# Allegro board 038RT-9068CJK8E-A100_0921.brd (continued)
## Routing (per net, layer and track width the routed paths; a pad name or vN(x,y) marks a point on that pad's centre or on a via; arc(x,y) is an arc through that point) (continued)
  TOP w0.115: C184.1 61.09,187.39
SG0_1_P1_MDI-: length 2.6
  TOP w0.105: 61.09,186.92 62.39,186.92 T3.2
  TOP w0.115: C183.1 61.09,186.92
SG0_1_P1_TXD0: length 141.8
  L15_SIGNAL w0.105: K225.4 149.76,229.85 163.47,229.85 167.41,233.79 272.28,233.79 278.85,227.23 v1(278.85,224.9)
  BOTTOM w0.115: v1(278.85,224.9) RR520.2
SG0_1_P1_TXD1: length 144
  L15_SIGNAL w0.105: K225.5 147.32,229.09 164.45,229.09 165.8,230.45 165.8,231.11 167.73,233.04 197.76,233.04 198.4,232.4 272.76,232.4 277.67,227.49 277.67,221.95 v1(276.81,221.09)
  BOTTOM w0.115: v1(276.81,221.09) RR521.2
SG0_1_P1_TXD2: length 126
  L15_SIGNAL w0.105: v1(280.88,224.9) 280.88,226.97 272.81,235.04 165.51,235.04 164.5,234.04 K226.4
  BOTTOM w0.115: v1(280.88,224.9) RR522.2
SG0_1_P1_TXD3: length 130.4
  L15_SIGNAL w0.105: v1(278.85,221.09) 279.67,221.91 279.67,227.38 272.66,234.39 166.65,234.39 165.2,232.93 162.2,232.93 160.82,231.55 K226.5
  BOTTOM w0.115: v1(278.85,221.09) RR523.2
SG0_1_P2_GIGA_MDI+: length 2.6
  TOP w0.105: T24.1 57.52,210.85 56.18,210.85 C422.1
SG0_1_P2_GIGA_MDI-: length 2.6
  TOP w0.105: T24.2 57.52,210.39 56.18,210.39 C421.1
SG0_1_P3_GIGA_MDI+: length 2.6
  TOP w0.105: C431.1 56.18,215.49 57.52,215.49 T25.1
SG0_1_P3_GIGA_MDI-: length 2.6
  TOP w0.105: C430.1 56.18,215.03 57.52,215.03 T25.2
SG0_1_P5_MDI+: length 2.5
  BOTTOM w0.105: T21.2 77.3,198.61 75.89,198.61
  BOTTOM w0.115: C401.1 75.89,198.61
SG0_1_P5_MDI-: length 2.6
  BOTTOM w0.105: 75.89,198.14 77.19,198.14 T21.1
  BOTTOM w0.115: C405.1 75.89,198.14
SG0_1_P5_TXD0: length 43.9
  L09_SIGNAL w0.105: K227.4 144.25,241.71 134.02,241.71 132.39,240.09 132.39,236.35 126.98,230.93 126.98,226.35 123.76,223.13 117.24,223.13 v1(115.62,221.52)
  BOTTOM w0.115: v1(115.62,221.52) RR920.2
SG0_1_P5_TXD1: length 147.2
  L15_SIGNAL w0.105: v1(284.94,224.9) 282.91,226.94 282.91,229.22 274.19,237.94 177.04,237.94 176.3,238.68 147.07,238.68 K227.5
  BOTTOM w0.115: v1(284.94,224.9) RR921.2
SG0_1_P5_TXD2: length 140.5
  L15_SIGNAL w0.105: v1(282.91,221.09) 283.44,220.57 285.23,220.57 285.63,220.97 285.63,225.22 284.47,226.38 284.47,229.71 274.84,239.33 178.4,239.33 177.34,240.39 K228.4
  BOTTOM w0.115: v1(282.91,221.09) RR922.2
SG0_1_P6_MDI+: length 2.5
  BOTTOM w0.105: T20.2 77.3,203.31 75.89,203.31
  BOTTOM w0.115: 75.89,203.31 C407.1
SG0_1_P6_MDI-: length 2.6
  BOTTOM w0.105: 75.89,202.84 77.19,202.84 T20.1
  BOTTOM w0.115: 75.89,202.84 C402.1
SG0_2_P0_MDI+: length 92.5
  TOP w0.105: 58.46,192.6 58.19,192.6
  TOP w0.115: C180.2 58.46,192.6 ; 58.19,192.6 v1(57.72,193.07)
  L07_SIGNAL w0.1: v1(57.72,193.07) 57.72,192.65 57.62,192.55 54.31,192.55 52.66,190.9 52.66,184.56 51.19,183.08 49.46,183.08 39.15,172.78 39.15,146.03 33.65,140.53 33.65,120.46 32.67,119.48 31.62,119.48 v2(31.42,119.68)
  BOTTOM w0.105: U18.6 28.81,119.53 31.27,119.53 v2(31.42,119.68)
SG0_2_P0_MDI-: length 92.5
  TOP w0.105: 58.46,192.13 58.19,192.13
  TOP w0.115: C179.2 58.46,192.13 ; 58.19,192.13 v1(57.72,191.67)
  L07_SIGNAL w0.1: v2(31.42,118.92) 31.62,119.12 32.82,119.12 34.01,120.31 34.01,140.38 39.51,145.88 39.51,172.63 49.61,182.72 51.34,182.72 53.02,184.4 53.02,190.75 54.46,192.18 57.62,192.18 57.72,192.08 v1(57.72,191.67)
  BOTTOM w0.105: U18.7 28.81,119.07 31.27,119.07 v2(31.42,118.92)
SG0_2_P0_RC: length 3.9
  TOP w0.115: R140.2 R139.2 C181.1 R6.1
SG0_2_P1_MDI+: length 95
  TOP w0.105: 58.46,187.39 58.19,187.39
  TOP w0.115: 58.19,187.39 v1(57.72,187.86) ; C184.2 58.46,187.39
  L07_SIGNAL w0.1: v2(26.17,116.68) 26.37,116.48 35.11,116.48 37.44,118.81 37.44,139.94 43.49,145.99 43.49,171.39 54.92,182.82 54.92,186.22 56.03,187.34 57.62,187.34 57.72,187.44 v1(57.72,187.86)
  BOTTOM w0.105: U18.12 28.78,116.53 26.32,116.53 v2(26.17,116.68)
SG0_2_P1_MDI-: length 95
  TOP w0.105: 58.46,186.92 58.19,186.92
  TOP w0.115: 58.19,186.92 v1(57.72,186.46) ; C183.2 58.46,186.92
  L07_SIGNAL w0.1: v1(57.72,186.46) 57.72,186.87 57.62,186.97 56.18,186.97 55.28,186.07 55.28,182.67 43.85,171.24 43.85,145.84 37.8,139.79 37.8,118.66 35.26,116.12 26.37,116.12 v2(26.17,115.92)
  BOTTOM w0.105: U18.13 28.78,116.07 26.32,116.07 v2(26.17,115.92)
SG0_2_P1_RC: length 3.9
  TOP w0.115: C182.1 R7.1 R141.2 R142.2
SG0_2_P2_GIGA_MDI+: length 30.6
  TOP w0.105: v4(52.49,211.64) 53.28,210.85 53.55,210.85 C422.2
  L03_SIGNAL w0.136: v1(47.86,231.71) 47.76,231.61 47.76,218.32 48.44,217.65 48.44,213.6 49.06,212.98 51.36,212.98 51.76,212.58 51.76,211.01 51.93,210.85 52.35,210.85 52.49,210.98 v4(52.49,211.64)
  BOTTOM w0.105: K144.15 45.68,233.2 47.14,233.2 47.77,232.58 47.77,231.81 v1(47.86,231.71)
SG0_2_P2_GIGA_MDI-: length 30.6
  TOP w0.105: C421.2 53.55,210.39 53.28,210.39 v4(52.49,209.6)
  L03_SIGNAL w0.136: v1(47.2,231.71) 47.31,231.61 47.31,218.13 47.98,217.46 47.98,213.42 48.87,212.53 51.17,212.53 51.31,212.39 51.31,210.83 51.74,210.39 52.35,210.39 52.49,210.26 v4(52.49,209.6)
  BOTTOM w0.105: v1(47.2,231.71) 47.3,231.81 47.3,232.39 46.95,232.74 45.68,232.74 K144.16
SG0_2_P2_RC: length 4.7
  TOP w0.115: R517.2 49.38,211.64 R519.1 C427.1 49.38,209.6 R518.2
SG0_2_P3_GIGA_MDI+: length 31.6
  TOP w0.105: C431.2 53.54,215.49 53.28,215.49 v4(52.49,216.28)
  L03_SIGNAL w0.136: v4(52.49,216.28) 52.49,215.62 52.35,215.49 51.89,215.49 51.74,215.64 51.74,218.18 51.99,218.43 51.99,236.78 51.07,237.7 48.55,237.7 v1(48.44,237.8)
  BOTTOM w0.105: v1(48.44,237.8) 48.34,237.7 45.68,237.7 K144.6
SG0_2_P3_GIGA_MDI-: length 31.6
  TOP w0.105: v4(52.49,214.24) 53.28,215.03 53.54,215.03 C430.2
  L03_SIGNAL w0.136: v1(48.44,237.14) 48.55,237.24 50.88,237.24 51.54,236.59 51.54,218.62 51.29,218.37 51.29,215.45 51.7,215.03 52.35,215.03 52.49,214.9 v4(52.49,214.24)
  BOTTOM w0.105: v1(48.44,237.14) 48.34,237.24 45.68,237.24 K144.7
SG0_2_P3_RC: length 4.7
  TOP w0.115: R537.2 49.38,214.24 C436.1 R538.1 49.38,216.28 R536.2
SG0_2_P5_MDI+: length 113.2
  L07_SIGNAL w0.1: v1(72.52,199.07) 72.52,198.66 72.42,198.56 67.02,198.56 62.23,193.76 62.23,186.09 46.64,170.5 46.64,143.94 41.85,139.15 41.85,118.68 36.65,113.48 31.62,113.48 v2(31.42,113.68)
  BOTTOM w0.105: 72.98,198.61 73.25,198.61 ; U18.18 28.81,113.53 31.27,113.53 v2(31.42,113.68)
  BOTTOM w0.115: 73.25,198.61 C401.2 ; v1(72.52,199.07) 72.98,198.61
SG0_2_P5_MDI-: length 113.2
  L07_SIGNAL w0.1: v1(72.52,197.67) 72.52,198.09 72.42,198.19 67.17,198.19 62.59,193.61 62.59,185.94 47,170.35 47,143.79 42.21,139 42.21,118.53 36.81,113.12 31.62,113.12 v2(31.42,112.92)
  BOTTOM w0.105: 72.98,198.14 73.25,198.14 ; U18.19 28.81,113.07 31.27,113.07 v2(31.42,112.92)
  BOTTOM w0.115: 73.25,198.14 C405.2 ; v1(72.52,197.67) 72.98,198.14
SG0_2_P5_RC: length 3.9
  BOTTOM w0.115: R9.1 C406.1 R474.2 R470.2
SG0_2_P6_MDI+: length 133.5
  L07_SIGNAL w0.1: v1(72.52,203.77) 72.52,203.35 72.62,203.25 74.15,203.25 74.63,202.77 74.63,196.74 69.21,191.33 69.21,186.45 49.76,167 49.76,140.28 47.1,137.62 47.1,118.29 37.04,108.22 25.97,108.22 25,109.19 25,111.65 25.33,111.98 25.97,111.98 v2(26.17,112.18)
  BOTTOM w0.105: U18.21 28.78,112.03 26.32,112.03 v2(26.17,112.18) ; 72.98,203.31 73.25,203.31
  BOTTOM w0.115: v1(72.52,203.77) 72.98,203.31 ; 73.25,203.31 C407.2
SG0_2_P6_MDI-: length 133.5
  L07_SIGNAL w0.1: v2(26.17,111.42) 25.97,111.62 25.48,111.62 25.36,111.5 25.36,109.34 26.12,108.59 28.38,108.59 28.5,108.7 28.5,109.21 28.62,109.33 28.78,109.33 28.9,109.21 28.9,108.7 29.02,108.59 29.18,108.59 29.3,108.7 29.3,109.21 29.42,109.33 29.58,109.33 29.7,109.21 29.7,108.7 29.82,108.59 36.89,108.59 46.74,118.44 46.74,137.77 49.4,140.43 49.4,167.15 68.85,186.6 68.85,191.48 74.26,196.89 74.26,202.62 74,202.89 72.62,202.89 72.52,202.79 v1(72.52,202.37)
  BOTTOM w0.105: 72.98,202.84 73.25,202.84 ; U18.22 28.78,111.57 26.32,111.57 v2(26.17,111.42)
  BOTTOM w0.115: v1(72.52,202.37) 72.98,202.84 ; 73.25,202.84 C402.2
SG0_2_P6_RC: length 3.9
  BOTTOM w0.115: R473.2 R475.2 C399.1 R19.1
SG0_3_P2_GIGA_MDI+: length 25.4
  BOTTOM w0.105: K145.33 31.08,228.35 34,228.35 34.53,227.83 34.53,223.82 34.91,223.43 36.35,223.43 36.65,223.73 36.65,233.47 37.31,234.14 38.76,234.14 39.32,234.7 41.66,234.7 K144.27
SG0_3_P2_GIGA_MDI-: length 25.4
  BOTTOM w0.105: K144.26 41.66,234.24 39.52,234.24 38.95,233.67 37.51,233.67 37.11,233.28 37.11,223.54 36.55,222.97 34.72,222.97 34.06,223.63 34.06,227.63 33.81,227.89 31.08,227.89 K145.34
SG0_3_P3_GIGA_MDI+: length 28.1
  L46_SIGNAL w0.136: v3(33.01,226.45) 33.11,226.35 33.85,226.35 35.97,228.46 35.97,234.07 33.62,236.42 33.62,240.38 34.42,241.19 37.38,241.19 v3(37.49,241.29)
  BOTTOM w0.105: K145.37 31.08,226.35 32.91,226.35 v3(33.01,226.45) ; v3(37.49,241.29) 37.59,241.19 38.27,241.19 40.26,239.2 41.66,239.2 K144.36
SG0_3_P3_GIGA_MDI-: length 28.1
  L46_SIGNAL w0.136: v3(33.01,225.79) 33.11,225.89 34.04,225.89 36.42,228.28 36.42,234.25 34.07,236.61 34.07,240.19 34.61,240.74 37.38,240.74 v3(37.49,240.63)
  BOTTOM w0.105: K144.35 41.66,238.74 40.07,238.74 38.08,240.73 37.59,240.73 v3(37.49,240.63) ; K145.38 31.08,225.89 32.91,225.89 v3(33.01,225.79)
SG0_3PI_P0_MDI+: length 101.1
  L11_SIGNAL w0.1: MQS1.6 4.26,108.56 4.16,108.66 2.71,108.66 2.07,109.3 2.07,116.57 2.87,117.37 12.07,117.37 12.39,117.06 12.39,114.85 11.97,114.43 9.48,114.43 9.26,114.21 9.26,111.63 9.56,111.33 15.31,111.33 15.75,111.77 15.75,116.69 10.99,121.45 10.99,124.6 12.02,125.64 18.81,125.64 19.05,125.87 19.05,132.88 19.82,133.65 26.35,133.65 26.85,133.16 26.85,123.71 25.75,122.62 17.22,122.62 16.97,122.37 16.97,120.73 17.21,120.48 18.26,120.48 v2(18.46,120.68)
  BOTTOM w0.105: v2(18.46,120.68) 18.61,120.53 21.07,120.53 U18.61
SG0_3PI_P0_MDI-: length 101.1
  L11_SIGNAL w0.1: v2(18.46,119.92) 18.26,120.12 17.06,120.12 16.6,120.58 16.6,122.52 17.07,122.98 25.6,122.98 26.48,123.86 26.48,133.01 26.2,133.29 19.97,133.29 19.41,132.73 19.41,125.72 18.96,125.27 12.17,125.27 11.35,124.45 11.35,121.6 16.11,116.84 16.11,111.61 15.46,110.97 9.41,110.97 8.9,111.48 8.9,114.36 9.33,114.79 11.82,114.79 12.03,115 12.03,116.91 11.92,117.01 10.48,117.01 10.31,116.84 10.31,116.68 10.13,116.5 9.88,116.5 9.71,116.68 9.71,116.84 9.53,117.01 9.28,117.01 9.1,116.84 9.1,116.68 8.93,116.5 8.68,116.5 8.5,116.68 8.5,116.84 8.33,117.01 3.02,117.01 2.43,116.42 2.43,109.46 2.87,109.02 4.16,109.02 4.26,109.12 MQS1.7
  BOTTOM w0.105: U18.60 21.07,120.07 18.61,120.07 v2(18.46,119.92)
SG0_3PI_P1_MDI+: length 87.6
  L11_SIGNAL w0.1: v2(18.46,117.68) 18.66,117.48 20.19,117.48 21.28,116.39 21.28,110.06 21.98,109.36 24.36,109.36 25.22,108.5 28.05,108.5 28.56,109 28.56,122.96 29.26,123.66 32.88,123.66 33.68,122.87 33.68,106.61 32.61,105.54 23.96,105.54 23.49,105.07 21.89,105.07 21.32,105.64 13.65,105.64 12.84,106.45 12.84,108.41 12.59,108.66 6.9,108.66 6.8,108.56 MQS1.15
  BOTTOM w0.105: v2(18.46,117.68) 18.61,117.53 21.07,117.53 U18.55
SG0_3PI_P1_MDI-: length 87.6
  L11_SIGNAL w0.1: MQS1.16 6.8,109.12 6.9,109.02 8.85,109.02 9.03,109.2 9.03,109.35 9.2,109.53 9.45,109.53 9.63,109.35 9.63,109.2 9.8,109.02 10.05,109.02 10.23,109.2 10.23,109.35 10.4,109.53 10.65,109.53 10.83,109.35 10.83,109.2 11,109.02 12.74,109.02 13.2,108.56 13.2,106.6 13.8,106 21.47,106 22.04,105.43 23.33,105.43 23.81,105.91 32.46,105.91 33.31,106.76 33.31,122.71 32.73,123.3 29.41,123.3 28.92,122.81 28.92,108.85 28.2,108.13 25.07,108.13 24.21,108.99 21.83,108.99 20.92,109.91 20.92,116.23 20.03,117.12 18.66,117.12 v2(18.46,116.92)
  BOTTOM w0.105: v2(18.46,116.92) 18.61,117.07 21.07,117.07 U18.54
SG0_3PI_P5_MDI+: length 105
  L13_SIGNAL w0.1: MQS1.8 4.26,113.64 4.16,113.74 2.46,113.74 1.99,114.21 1.99,116.74 2.65,117.4 12.92,117.4 13.19,117.66 13.19,130.04 15.53,132.38 41.61,132.38 42.76,131.23 42.76,128.17 41.61,127.02 28.15,127.02 26.9,125.77 26.9,123.45 25.88,122.43 17.87,122.43 17.07,121.62 17.07,114.69 17.28,114.48 18.26,114.48 v2(18.46,114.68)
  BOTTOM w0.105: U18.49 21.07,114.53 18.61,114.53 v2(18.46,114.68)
SG0_3PI_P5_MDI-: length 105
  L13_SIGNAL w0.1: v2(18.46,113.92) 18.26,114.12 17.13,114.12 16.7,114.54 16.7,121.78 17.72,122.79 25.72,122.79 26.53,123.6 26.53,125.92 28,127.39 41.46,127.39 42.4,128.32 42.4,131.08 41.46,132.02 15.68,132.02 13.55,129.89 13.55,117.51 13.08,117.04 11.66,117.04 11.49,116.86 11.49,116.7 11.31,116.53 11.06,116.53 10.89,116.7 10.89,116.86 10.71,117.04 10.46,117.04 10.28,116.86 10.28,116.7 10.11,116.53 9.86,116.53 9.68,116.7 9.68,116.86 9.51,117.04 2.8,117.04 2.35,116.59 2.35,114.36 2.61,114.1 4.16,114.1 4.26,114.2 MQS1.9
  BOTTOM w0.105: v2(18.46,113.92) 18.61,114.07 21.07,114.07 U18.48
SG0_3PI_P6_MDI+: length 86
  L13_SIGNAL w0.1: v2(17.32,112) 17.52,111.8 20.46,111.8 21.22,111.04 21.22,110.4 22.46,109.15 25.24,109.15 25.81,108.58 27.85,108.58 28.74,109.48 28.74,123 29.29,123.54 32.25,123.54 33.64,122.15 33.64,108.01 31.23,105.6 25.73,105.6 25.3,105.17 21.13,105.17 20.47,105.84 13.09,105.84 12.08,106.84 12.08,110.84 9.18,113.74 6.9,113.74 6.8,113.64 MQS1.17
  BOTTOM w0.105: U18.45 21.07,112.53 19.99,112.53 19.3,111.85 17.47,111.85 v2(17.32,112)
SG0_3PI_P6_MDI-: length 86
  L13_SIGNAL w0.1: MQS1.18 6.8,114.2 6.9,114.1 9.33,114.1 9.99,113.44 10.24,113.44 10.35,113.55 10.6,113.55 10.77,113.38 10.77,113.13 10.66,113.02 10.66,112.77 10.84,112.59 11.09,112.59 11.2,112.7 11.44,112.7 11.62,112.52 11.62,112.28 11.51,112.17 11.51,111.92 12.44,110.99 12.44,106.99 13.24,106.2 20.62,106.2 21.29,105.53 25.15,105.53 25.58,105.96 31.08,105.96 33.28,108.16 33.28,122 32.1,123.18 29.44,123.18 29.11,122.85 29.11,109.33 28,108.22 25.66,108.22 25.09,108.79 22.31,108.79 20.85,110.25 20.85,110.89 20.31,111.43 17.52,111.43 v2(17.32,111.23)
  BOTTOM w0.105: v2(17.32,111.23) 17.47,111.38 19.49,111.38 20.18,112.07 21.07,112.07 U18.44
SG0_AT+: length 20.5
  L05_SIGNAL w0.1: 84.66,210.84 82.88,210.84 75.47,218.25 71.07,218.25 70.48,218.85 70.48,219.61 70.38,219.71 v1(70.02,219.71)
  L05_SIGNAL w0.102: 84.66,210.84 84.66,210.84 84.8,210.84 85.02,210.62 85.8,210.62 v1(86.2,210.22)
SG0_AT-: length 20.5
  L05_SIGNAL w0.1: v1(71.29,219.71) 70.94,219.71 70.84,219.61 70.84,219 71.22,218.62 71.75,218.62 71.87,218.73 71.87,218.94 71.98,219.05 72.15,219.05 72.27,218.94 72.27,218.73 72.38,218.62 75.62,218.62 83.03,211.2 84.66,211.2
  L05_SIGNAL w0.102: v1(86.2,211.02) 85.8,211.42 85.02,211.42 84.8,211.2 84.66,211.2
SG0_AVDD09: length 17.7
  L07_SIGNAL w0.508: v2(121.14,190.5) 119.77,190.5 109.13,201.13 v1(107.85,201.13)
  vias: v1(85.4,204.62) v1(87,210.22) v1(87.8,211.02) v1(87.8,210.22) v1(87.8,204.62) v1(88.6,211.02) v1(88.6,210.22) v1(88.6,202.22) v1(88.6,201.42) v1(89.4,208.62) v1(89.4,207.82) v1(97.4,209.42) v1(97.4,208.62) v1(98.2,207.82) v1(98.2,203.82) v1(99,207.02) v1(99,206.22) v1(99,205.42) v1(99,204.62) v1(99,202.22) v1(99,201.42) v1(107.21,201.13)
SG0_AVDD33: length 18.4
  TOP w0.508: v1(97.09,194.38) 96.18,193.46 96.18,184.85 91.93,180.6 SG0_AVDD33.1
  vias: v1(86.2,212.62) v1(86.2,211.82) v1(86.2,209.42) v1(86.2,208.62) v1(86.2,207.82) v1(87,201.42) v1(87.8,203.82) v1(87.8,203.02) v1(87.8,202.22) v1(87.8,201.42) v1(88.6,207.02) v1(88.6,203.82) v1(88.6,203.02) v1(89.4,211.02) v1(89.4,210.22) v1(89.4,204.62) v1(90.2,211.02) v1(90.2,210.22) v1(90.2,202.22) v1(97.09,195.01) v1(97.4,211.02) v1(97.4,210.22) v1(97.4,206.22) v1(97.4,205.42) v1(99,211.02)
SG0_AVDD33_MOSFET: length 16.8
  TOP w0.508: v1(91.36,194.38) 90.03,193.04 SG0_AVDD33_MOSFET.1
  vias: v1(91.36,195.01) v1(91.8,202.22)
SG0_C_P4_HSI+: length 6.4
  BOTTOM w0.105: K184.35 135.01,223.3 134.01,223.3 132.84,224.46 132.84,225.44 132.48,225.8 130.59,225.8 130.49,225.69 CS64.1
SG0_C_P4_HSI-: length 6.4
  BOTTOM w0.105: K184.36 135.01,223.76 134.2,223.76 133.3,224.65 133.3,225.63 132.67,226.26 130.59,226.26 130.49,226.37 CS63.1
SG0_C_P4_HSO+: length 7.7
  BOTTOM w0.105: CS62.1 130.49,228.2 130.59,228.31 132.37,228.31 133.85,226.83 133.85,224.75 134.3,224.3 135.01,224.3 K184.37
SG0_C_P4_HSO-: length 7.7
  BOTTOM w0.105: K184.38 135.01,224.76 134.5,224.76 134.31,224.94 134.31,227.03 132.57,228.77 130.59,228.77 130.49,228.88 CS61.1
SG0_C_P5_HSI+: length 5.7
  BOTTOM w0.105: CS74.1 130.49,216.68 130.59,216.78 131.36,216.78 133.37,218.8 135.01,218.8 K184.26
SG0_C_P5_HSI-: length 5.7
  BOTTOM w0.105: K184.27 135.01,219.26 133.18,219.26 131.17,217.25 130.59,217.25 130.49,217.35 CS73.1
SG0_C_P5_HSO+: length 5
  BOTTOM w0.105: CS72.1 130.49,219.19 130.59,219.29 131.63,219.29 132.14,219.8 135.01,219.8 K184.28
SG0_C_P5_HSO-: length 5
  BOTTOM w0.105: CS71.1 130.49,219.86 130.59,219.76 131.44,219.76 131.94,220.26 135.01,220.26 K184.29
SG0_C_P6_HSI+: length 3.4
  BOTTOM w0.14: K217.27 134.97,203.07 132.11,203.07 131.97,203.21 CS107.1
SG0_C_P6_HSI-: length 3.4
  BOTTOM w0.14: K217.26 134.97,202.68 132.11,202.68 131.97,202.54 CS108.1
SG0_C_P6_HSO+: length 108.3
  TOP w0.14: v1(224.1,185.49) 224.02,185.57 arc(223.96,185.61) 223.88,185.63 211.28,185.63 arc(210.44,185.79) 209.74,186.27 208.25,187.76 arc(206.45,188.96) 204.33,189.38 134.46,189.38 arc(132.68,189.73) 131.17,190.74 125.5,196.41 arc(125.4,196.48) 125.28,196.5 124.17,196.5 arc(123.93,196.45) 123.73,196.32 CS102.1
  BOTTOM w0.14: v1(224.1,185.49) 224.24,185.63 224.69,185.63 225.94,186.88 227.01,186.88 K214.26
SG0_C_P6_HSO-: length 108.3
  TOP w0.14: v1(224.1,186.15) 224.02,186.08 arc(223.96,186.03) 223.88,186.02 211.28,186.02 arc(210.59,186.15) 210.01,186.54 208.52,188.03 arc(206.6,189.32) 204.33,189.77 134.46,189.77 arc(132.83,190.1) 131.44,191.02 125.78,196.69 arc(125.55,196.84) 125.28,196.89 124.17,196.89 arc(123.93,196.94) 123.73,197.08 CS101.1
  BOTTOM w0.14: v1(224.1,186.15) 224.24,186.02 224.53,186.02 225.78,187.27 227.01,187.27 K214.27
SG0_C_P7_HSI+: length 4.8
  BOTTOM w0.14: CS117.1 131.97,206.07 132.11,205.93 132.78,205.93 133.18,205.53 133.18,204.48 133.6,204.07 134.97,204.07 K217.29
SG0_C_P7_HSI-: length 4.8
  BOTTOM w0.14: K217.28 134.97,203.68 133.44,203.68 132.79,204.32 132.79,205.37 132.62,205.54 132.11,205.54 131.97,205.4 CS118.1
SG0_C_P7_HSO+: length 108.3
  TOP w0.14: CS112.1 123.73,198.82 arc(123.93,198.96) 124.17,199.01 125.64,199.01 arc(125.76,198.99) 125.86,198.92 130.83,193.95 arc(131.82,193.29) 132.99,193.05 205.74,193.05 arc(206.74,192.86) 207.58,192.29 211.52,188.35 arc(212.32,187.82) 213.27,187.63 223.88,187.63 arc(223.96,187.61) 224.02,187.57 v1(224.1,187.49)
  BOTTOM w0.14: v1(224.1,187.49) 224.24,187.63 225.59,187.63 225.84,187.88 227.01,187.88 K214.28
SG0_C_P7_HSO-: length 108.3
  TOP w0.14: CS111.1 123.73,199.58 arc(123.93,199.45) 124.17,199.4 125.64,199.4 arc(125.91,199.35) 126.14,199.19 131.11,194.23 arc(131.97,193.65) 132.99,193.44 205.74,193.44 arc(206.89,193.22) 207.85,192.57 211.8,188.63 arc(212.47,188.18) 213.27,188.02 223.88,188.02 arc(223.96,188.03) 224.02,188.08 v1(224.1,188.15)
  BOTTOM w0.14: K214.29 227.01,188.27 225.68,188.27 225.43,188.02 224.24,188.02 v1(224.1,188.15)
SG0_CKXTAL1: length 13.2
  BOTTOM w0.115: Y6.3 85.93,219.87 85.34,219.28 C75.2 85.34,215.24 84.25,214.15 84.25,209.21 84.84,208.62 v1(85.4,208.62)
SG0_CKXTAL2: length 19.4
  BOTTOM w0.115: Y6.1 82.51,221.66 82.24,221.39 82.24,219.94 82.69,219.49 84.05,219.49 84.31,219.23 C76.2 84.31,215.67 83.22,214.58 83.22,208.78 84.18,207.82 v1(85.4,207.82)
SG0_DCH_TDO: length 279.1
  L46_SIGNAL w0.102: 100.22,203.41 100.21,203.42 91.59,203.42 91.4,203.61 91.4,210.62 v1(91,211.02)
  L46_SIGNAL w0.145: v1(326.57,233.87) 326.45,233.99 314.37,233.99 308.74,228.37 300.52,228.37 295.08,222.93 286.12,222.93 285.13,221.94 274.7,221.94 264.29,232.35 227.76,232.35 226.55,231.14 226.55,210.37 225.03,208.84 131.67,208.84 125.32,202.5 101.13,202.5 100.22,203.41
  BOTTOM w0.115: v1(326.57,233.87) MUX16.2
SG0_DISB: length 58.5
  L03_SIGNAL w0.145: v2(147.4,185.37) 146.72,186.04 146.72,189.56 143.69,192.59 128.69,192.59 127.19,194.1 120.85,194.1 120.22,194.73 108.77,194.73 107.41,196.09 99.49,196.09 97.22,198.35 97.22,198.4 v1(96.6,199.02)
SG0_DVDD09: length 25.5
  TOP w0.508: SG0_DVDD09.1 126.86,207.31 126.22,207.94 119.16,207.94 118.62,207.4 107.27,207.4 v1(106.36,208.31)
  vias: v1(87,207.82) v1(87,206.22) v1(87,205.42) v1(89.4,207.02) v1(89.4,206.22) v1(89.4,205.42) v1(90.2,204.62) v1(91,205.42) v1(91,200.62) v1(91.8,205.42) v1(91.8,200.62) v1(92.6,205.42) v1(93.4,205.42) v1(94.2,207.82) v1(94.2,207.02) v1(94.2,206.22) v1(95,207.82) v1(95,207.02) v1(95,206.22) v1(104.07,207.79) v1(104.9,207.79) v1(105.73,208.31)
SG0_DVDD33: length 20.4
  TOP w0.508: SG0_DVDD33.1 125.48,217.28 118.96,217.28 117.88,216.2 108.66,216.2 v1(107.81,217.04)
  vias: v1(94.2,208.62) v1(95,211.82) v1(95,209.42) v1(95,208.62) v1(98.22,209.42) v1(106.35,216.52) v1(107.18,217.04)
SG0_FE_LED0: length 26.9
  L05_SIGNAL w0.102: 95.4,213.84 95.4,210.62 v1(95,210.22)
  L05_SIGNAL w0.105: 95.4,213.84 95.4,215.44 98.35,218.39 98.35,228.06 97.72,228.68 97.72,234.71 v2(98.28,235.26)
SG0_FE_LED1: length 26.9
  L05_SIGNAL w0.102: 96.12,214.52 96.12,213.81 96.2,213.74 96.2,210.62 v1(95.8,210.22)
  L05_SIGNAL w0.105: 96.12,214.52 96.12,215.14 99.07,218.09 99.07,227.86 99.54,228.33 99.54,234.62 v2(100.19,235.26)
SG0_GPIO_VDDIO: length 22.8
  TOP w0.508: v1(109.99,198.03) 111.97,198.03 114.12,195.88 114.12,193.33 118.71,188.73 125.45,188.73 SG0_GPIO_VDDIO.1
  vias: v1(93.4,203.82) v1(94.2,205.42) v1(94.2,203.02) v1(94.2,200.62) v1(95.8,205.42) v1(95.8,200.62) v1(96.6,210.22) v1(96.6,203.02) v1(97.4,203.02) v1(97.4,200.62) v1(109.36,198.03)
SG0_GPIOA_0: length 34.2
  L09_SIGNAL w0.105: v2(124.95,203.2) 123.05,201.29 121.6,201.29 119.32,199.01 108.82,199.01 107.78,197.97 94.45,197.97 v1(93.4,199.02)
SG0_GPIOA_1: length 110.8
  L03_SIGNAL w0.145: v1(94.2,199.02) 94.4,198.82 94.4,197.82 95.86,196.36 95.86,194.48 97.42,192.91 98.67,192.91 106.36,185.22 113.19,185.22 117.83,189.87 140.22,189.87 v2(142.32,187.77) 142.97,187.12 142.97,183.97 144.1,182.83 163.97,182.83 164.54,183.41 164.54,184.73 v2(165.18,185.37)
  L09_SIGNAL w0.105: v2(142.32,187.77) 143.95,186.14 164.4,186.14 v2(165.18,185.37)
SG0_GPIOA_2: length 74.6
  L03_SIGNAL w0.145: v2(143.59,187.77) 143.59,187.97 140.16,191.4 128.11,191.4 126.84,192.67 120.48,192.67 119.62,193.54 108.28,193.54 108.16,193.66 108.09,193.66 106.94,194.81 98.73,194.81 95,198.54 v1(95,199.02)
  L09_SIGNAL w0.105: v2(143.59,187.77) 144.36,188.55 163.13,188.55 v2(163.91,187.77)
SG0_GPIOA_3: length 58.9
  L03_SIGNAL w0.145: v1(95.8,199.02) 96.42,198.4 96.42,198.35 96.63,198.15 96.63,198.11 99.24,195.49 107.1,195.49 108.34,194.25 108.4,194.25 108.53,194.13 119.87,194.13 120.73,193.27 127.17,193.27 128.44,192 141.93,192 145.47,188.45 145.47,186.02 v2(146.13,185.37)
  BOTTOM w0.115: R552.2 v2(146.13,185.37)
SG0_GPIOB_0: length 62.3
  L03_SIGNAL w0.102: 93,198.8 93,199.42 v1(93.4,199.82)
  L03_SIGNAL w0.145: 93,198.8 93,196.02 93.77,195.25 93.77,192.24 95.08,190.93 98.28,190.93 105.37,183.84 114.65,183.84 116.08,185.27 125.71,185.27 129.04,188.6 137.47,188.6 137.87,188.19 137.87,186 v2(138.51,185.37)
  BOTTOM w0.115: v2(138.51,185.37) R264.1
SG0_GPIOB_1: length 63.9
  L03_SIGNAL w0.102: v1(94.2,199.82) 93.8,199.42 93.8,198.8
  L03_SIGNAL w0.145: 93.8,198.8 93.8,196.35 94.57,195.58 94.57,192.29 95.19,191.68 98.72,191.68 105.77,184.62 113.86,184.62 118.51,189.28 139.32,189.28 140.46,188.14 140.46,185.96 v2(141.05,185.37)
  BOTTOM w0.115: R62.1 v2(141.05,185.37)
SG0_GPIOB_2: length 73.3
  L03_SIGNAL w0.102: 100.22,201.02 95.52,201.02 95.4,200.89 95.4,200.22 v1(95,199.82)
  L03_SIGNAL w0.145: v2(158.83,185.37) 158.24,185.95 158.24,188.29 149.39,197.14 135.91,197.14 132.94,200.12 128.42,200.12 127.58,199.28 104.25,199.28 102.5,201.02 100.22,201.02
SG0_GPIOC_0: length 68.5
  L05_SIGNAL w0.102: 93.8,198.6 93.8,201.02 v1(93.4,201.42)
  L05_SIGNAL w0.105: 93.8,198.6 93.8,196.45 94.51,195.73 94.51,186.15 96.52,184.15 101.5,184.15 103.27,182.37 126.67,182.37 127.58,183.29 127.58,188.37 129.38,190.16 132.42,190.16 134.07,188.5 134.07,185.99 v2(134.7,185.37)
  BOTTOM w0.115: R568.1 v2(134.7,185.37)
SG0_GPIOC_1: length 62.6
  L03_SIGNAL w0.102: v1(93.4,202.22) 93,201.82 92.32,201.82 92.2,201.7 92.2,198.8
  L03_SIGNAL w0.145: v2(137.24,185.37) 136.6,186 132.95,186 129.76,182.82 105.08,182.82 97.64,190.27 94.58,190.27 92.68,192.16 92.68,195.44 92.2,195.92 92.2,198.8
  BOTTOM w0.115: R569.1 v2(137.24,185.37)
SG0_GPIOC_2: length 68.2
  L05_SIGNAL w0.102: v1(94.2,201.42) 94.6,201.02 94.6,198.6
  L05_SIGNAL w0.105: 94.6,198.6 94.6,196.68 95.83,195.45 95.83,191.53 104.35,183.01 125.07,183.01 125.9,183.84 125.9,184.51 126.05,184.66 126.05,184.67 127.03,185.65 127.03,188.6 129.15,190.72 132.65,190.72 134.88,188.49 138.77,188.49 139.12,188.14 139.12,186.03 v2(139.78,185.37)
  BOTTOM w0.115: R570.1 v2(139.78,185.37)
SG0_GPIOC_3: length 65.2
  L03_SIGNAL w0.102: v1(94.2,202.22) 93.8,202.62 91.56,202.62 91.4,202.46 91.4,198.8
  L03_SIGNAL w0.145: 91.4,198.8 91.4,195.68 91.88,195.2 91.88,191.9 94.3,189.48 97.2,189.48 104.52,182.16 133.63,182.16 135.36,183.88 135.36,184.75 v2(135.97,185.37)
  BOTTOM w0.115: v2(135.97,185.37) R571.1
SG0_GPIOC_4: length 71.8
  L05_SIGNAL w0.102: v1(95,201.42) 95.4,201.02 95.4,198.6
  L05_SIGNAL w0.105: v2(144.86,185.37) 144.25,185.98 144.25,188.16 143.36,189.04 135.1,189.04 132.88,191.27 128.92,191.27 126.47,188.83 126.47,185.88 125.66,185.07 114.94,185.07 113.44,183.57 105.23,183.57 96.51,192.29 96.51,195.58 95.4,196.7 95.4,198.6
  BOTTOM w0.115: R572.1 v2(144.86,185.37)
